# KiCad board fmc_memory_adapter.kicad_pcb (continued)
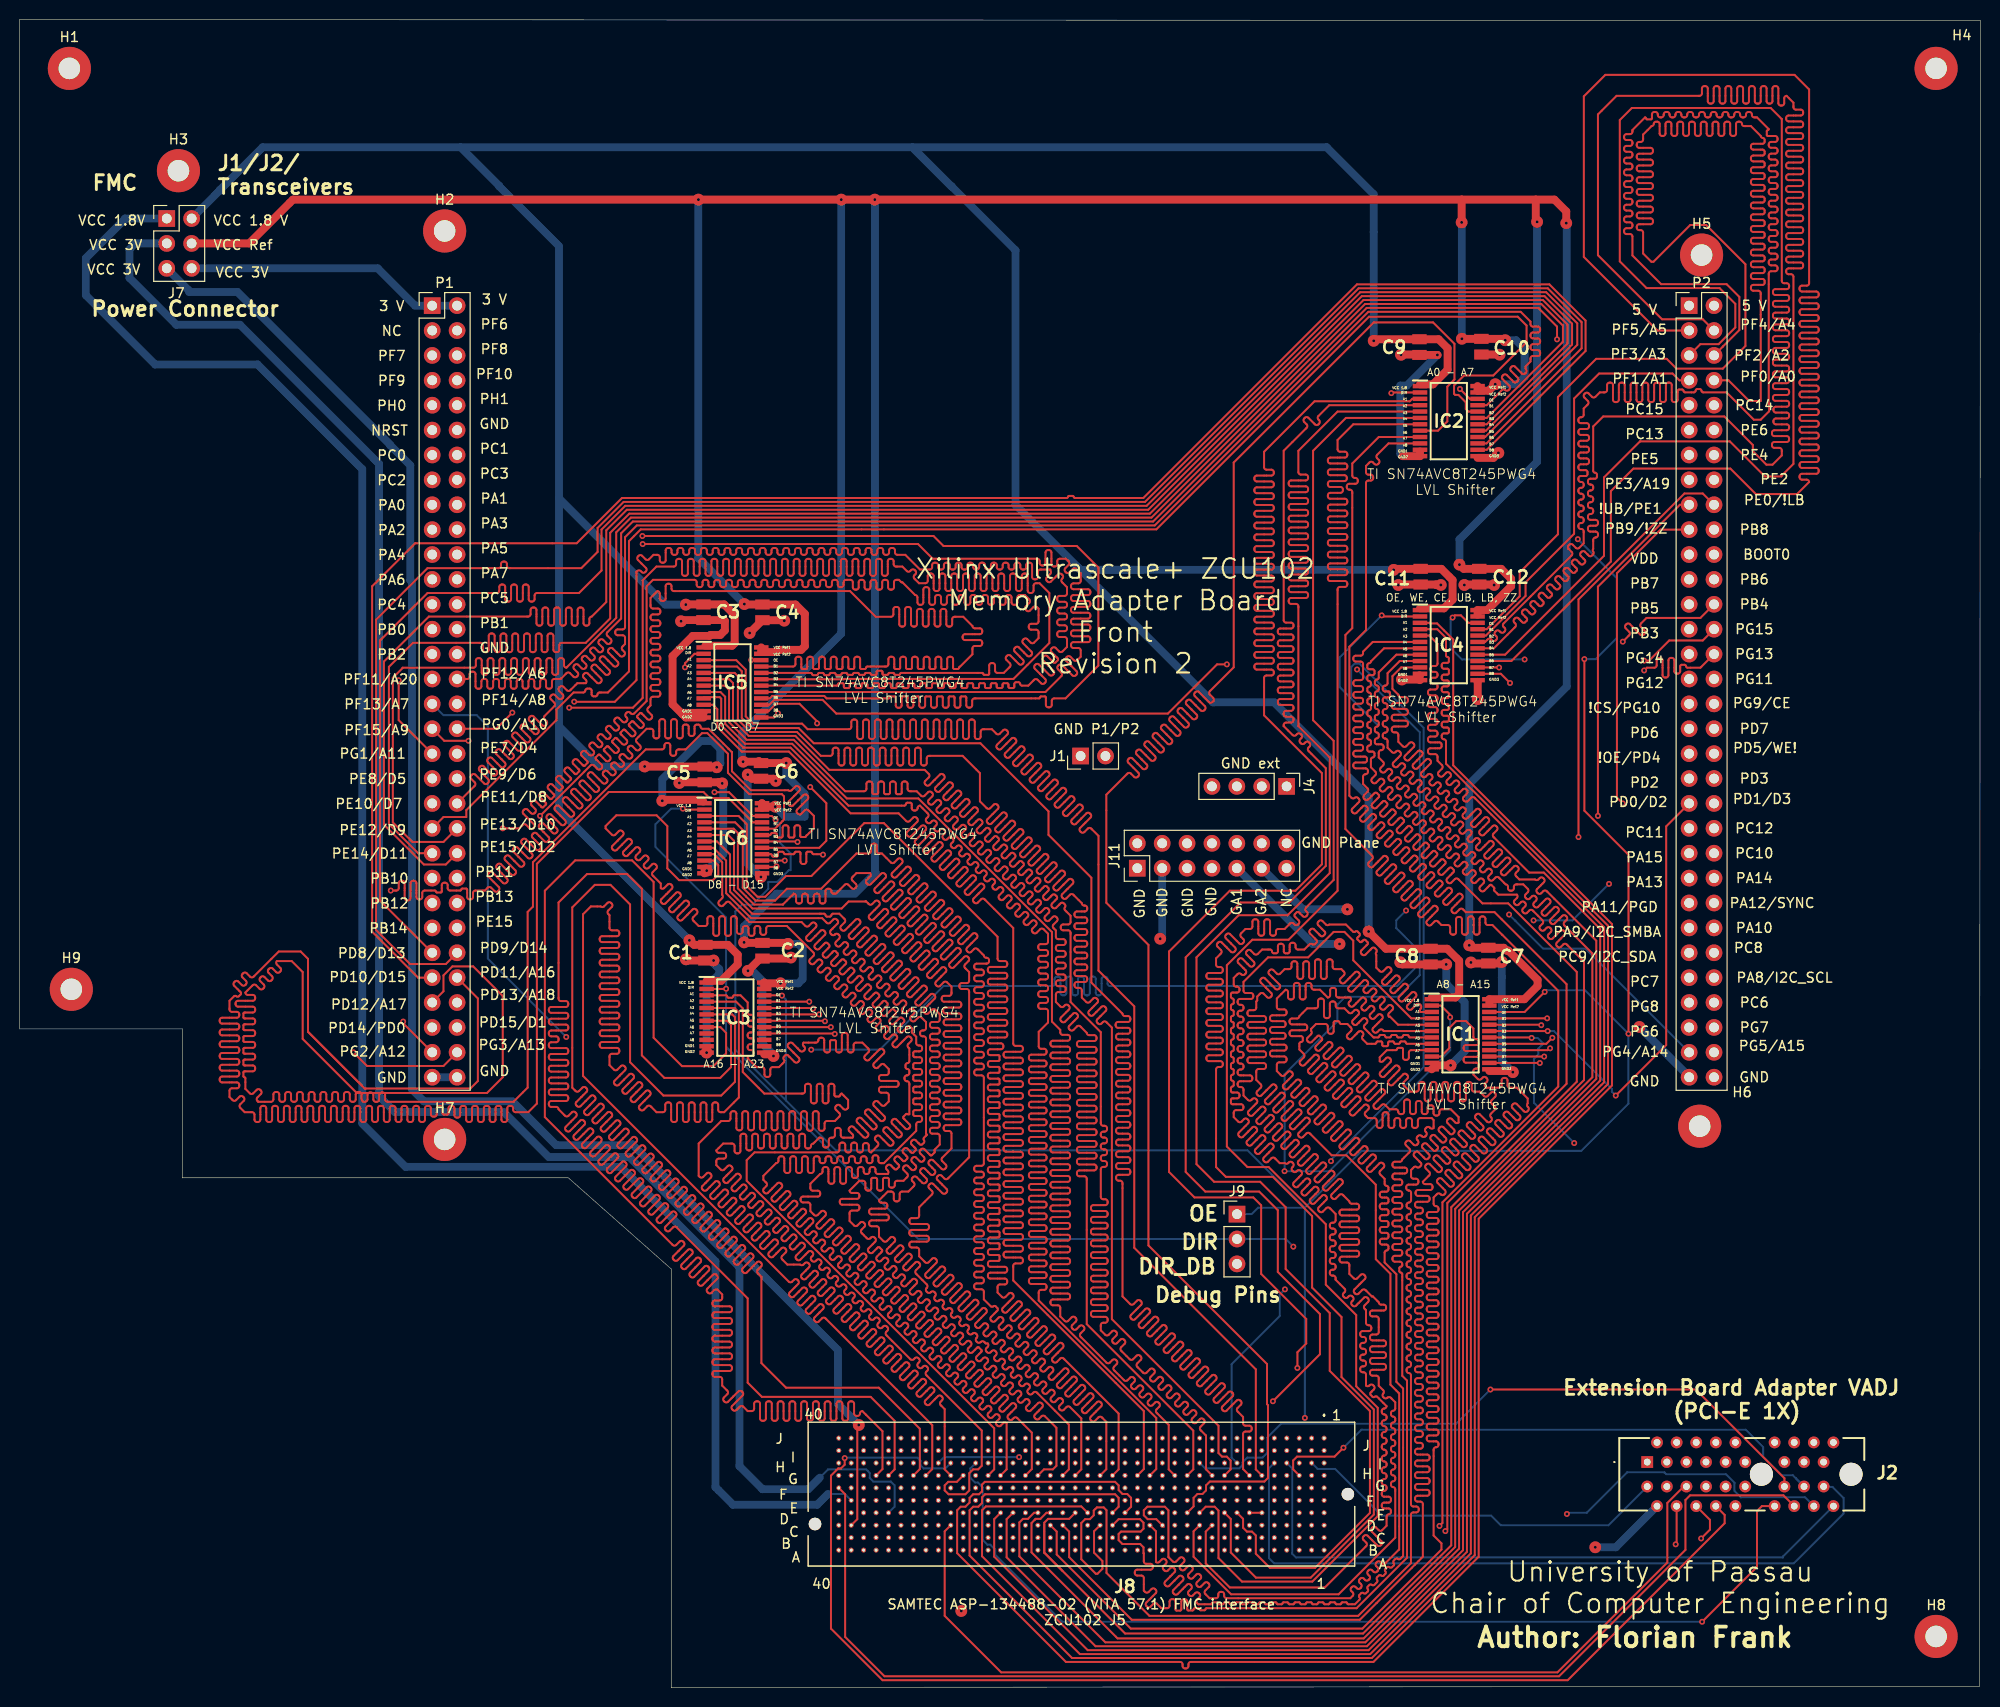
[diagram p0: board, top side]
## Routing (per net, layer and track width the routed paths; a pad name or vN(x,y) marks a point on that pad's centre or on a via; arc(x,y) is an arc through that point)
GND: length 264.2
  Top w0.2: IC4.11 IC4.12 ; IC5.13 76.98,98.98 v2(77.4,99.4)
  Top w0.8: v1(71.7,92.25) 71.43,92.25 71.32,92.37 ; 142.85,102.85 IC4.12 ; 142.85,102.85 142.85,103.26 142.91,103.26 ; 142.85,102.85 v3(141.06,102.85) ; v1(140.9,74) 141.12,73.78 C8.1 v1(145.59,73.78) ; v1(151.26,74.03) 151.11,73.88 C7.1 148.21,73.88 v1(148.11,73.98) ; 144.71,135.95 v2(144.69,135.98) C9.1 ; v1(140.7,112.5) 140.75,112.55 C11.1 144.54,112.55 ; C2.1 75.58,74.38 ; C2.1 75.58,74.38 ; C2.1 78.61,74.38 v3(78.71,74.48) ; 75.58,74.38 v1(74.33,73.13) ; v1(74.31,93.15) 74.73,92.73 C6.1 76.95,92.73 v3(77.17,92.51) ; 142.91,126.12 IC2.12 v2(141.12,125.65) ; v1(146.04,63.48) 144.51,63.48 IC1.12 ; v1(70.82,74.18) C1.1 68.12,74.18 v1(68,74.3) ; 71.32,92.37 71.32,92.37 ; 71.32,92.37 C5.1 67.39,92.37 v1(67.33,92.3) ; v1(67.5,108.8) 67.62,108.92 C3.2 71.88,108.92 71.97,108.83 71.97,107.87 71.5,107.4 70.5,107.4 70.4,107.3 68.7,107.3 66.64,105.24 66.64,100.33 67.64,99.33 ; 67.64,99.33 67.99,98.98 IC5.12 ; 67.64,99.33 67.76,99.45 69.81,99.45 ; 75.76,82.9 75.59,82.9 75.5,82.82 ; 77.04,64.45 76.89,64.6 75.99,64.6 ; 144.54,112.55 144.59,112.5 v3(145.04,112.5) ; 144.54,112.55 144.61,112.48 ; v1(152.39,62.79) 152.27,62.9 149.99,62.9 ; C9.1 142.78,136.05 ; C9.1 142.82,136.02 140.99,136.02 v1(140.98,136) ; 148.79,125.47 150.41,125.47 v3(150.91,125.98) ; 69.89,83.55 70.06,83.55 70.12,83.5 v1(70.12,83.35) 69.89,83.12 IC6.12 ; v1(147.44,112.5) 147.49,112.55 C12.1 150.43,112.55 v3(150.48,112.5) ; v1(74.5,107.6) 75.81,108.91 C4.2 77.98,108.91 v3(78.04,108.85) ; v3(148.8,100.85) 148.8,102.61 148.79,102.61 ; v1(70.11,64.78) 70.11,65.25 ; C10.1 151.02,136.02 v3(151.04,136)
  In1.Cu w0.8: 124.2,89.6 124.22,89.62 J4.3 ; 124.2,89.6 122,89.6 121.68,89.92 J4.4 ; 124.2,89.6 126.5,89.6 ; 129.38,89.47 129.3,89.55 J4.1 ; 129.38,89.47 130.75,88.1 130.75,82.85 130.05,82.15 123.13,82.15 J11.7 ; 129.38,89.47 129.25,89.6 126.5,89.6 ; 126.5,89.6 126.76,89.86 J4.2 ; 70.01,91.73 70.66,92.37 71.32,92.37 ; 76.45,72.35 78.58,74.48 v3(78.71,74.48) ; J11.2 J11.14
  In2.Cu w0.8: v3(150.48,112.5) 150.48,109.85 145,104.38 145,101.62 146.28,100.35 148.3,100.35 v3(148.8,100.85) ; v3(150.91,125.98) 151.79,126.86 151.79,135.25 v3(151.04,136) ; v3(145.04,112.5) 145.04,109.26 141.06,105.29 v3(141.06,102.85) ; v3(78.04,108.85) 78.15,108.85 79,108 79,100.17 78.31,99.48 77.48,99.48 v2(77.4,99.4) ; 74.28,73.08 v1(74.33,73.13)
  Bottom w0.8: v1(152.39,62.79) 151.26,63.91 v1(151.26,74.03) ; v1(145.59,73.78) 145.59,71.8 147.46,69.93 147.46,64.9 v1(146.04,63.48) ; v1(70.11,64.78) 70.11,71.51 71.4,72.8 71.4,73.3 70.82,73.88 v1(70.82,74.18) ; v1(74.33,73.13) 74.77,73.13 75.8,72.1 75.8,65.7 76.93,64.57 v1(76.93,64.43) ; v1(74.31,93.15) 74.31,84.05 v1(75.65,82.7) ; v1(71.7,92.25) 71.81,92.14 71.81,85.05 v1(70.12,83.35) ; v2(144.69,135.98) 141.56,132.85 140.9,132.85 140.9,125.87 v2(141.12,125.65) ; 147.99,73.98 v1(148.11,73.98)
Net-(IC1-A1): length 200
  Top w0.2: IC1.3 142.97,68.93 arc(142.9,69.1) 142.97,69.27 142.98,69.28 arc(143.05,69.45) 142.98,69.62 142.89,69.7 arc(142.72,69.77) 142.55,69.7 142.06,69.2 arc(141.89,69.13) 141.72,69.2 141.63,69.29 arc(141.56,69.46) 141.63,69.63 142.48,70.48 arc(142.55,70.65) 142.48,70.82 142.4,70.9 arc(142.23,70.97) 142.06,70.9 141.21,70.05 arc(141.04,69.98) 140.87,70.05 140.78,70.14 arc(140.71,70.31) 140.78,70.48 141.63,71.33 arc(141.7,71.5) 141.63,71.67 141.55,71.75 arc(141.38,71.82) 141.21,71.75 140.36,70.9 arc(140.19,70.83) 140.02,70.9 139.94,70.99 arc(139.87,71.16) 139.94,71.33 140.79,72.18 arc(140.86,72.35) 140.79,72.52 140.7,72.6 arc(140.53,72.67) 140.36,72.6 139.51,71.75 arc(139.34,71.68) 139.17,71.75 139.09,71.84 arc(139.02,72.01) 139.09,72.17 139.94,73.02 arc(140.01,73.19) 139.94,73.36 139.85,73.45 arc(139.68,73.52) 139.51,73.45 139.15,73.09 arc(138.98,73.02) 138.81,73.09 138.45,73.45 138.45,74.75 arc(138.39,74.89) 138.45,75.02 arc(138.51,75.16) 138.45,75.3 138.29,75.45 arc(138.16,75.51) 138.02,75.45 137.35,74.78 arc(137.18,74.71) 137.01,74.78 136.93,74.87 arc(136.86,75.04) 136.93,75.21 137.56,75.84 arc(137.6,75.94) 137.56,76.05 137.34,76.27 arc(137.24,76.31) 137.14,76.27 136.95,76.08 arc(136.87,76.05) 136.78,76.08 136.53,76.34 arc(136.49,76.42) 136.53,76.5 136.73,76.71 arc(136.78,76.83) 136.73,76.95 136.54,77.13 arc(136.43,77.18) 136.31,77.13 arc(136.19,77.08) 136.07,77.13 135.35,77.85 133.65,77.85 arc(133.48,77.78) 133.31,77.85 132.95,78.21 arc(132.78,78.28) 132.61,78.21 132.53,78.13 arc(132.45,77.96) 132.53,77.79 133.19,77.12 arc(133.25,76.98) 133.19,76.84 133.04,76.69 arc(132.91,76.64) 132.77,76.69 132.1,77.36 arc(131.93,77.43) 131.76,77.36 131.68,77.28 arc(131.61,77.11) 131.68,76.94 132.34,76.27 arc(132.4,76.13) 132.34,76 132.19,75.85 arc(132.06,75.79) 131.92,75.85 arc(131.78,75.9) 131.65,75.85 131.1,75.3 130.45,75.3 arc(130.28,75.37) 130.21,75.54 130.21,75.75 arc(130.14,75.92) 129.97,75.99 129.85,75.99 arc(129.68,75.92) 129.61,75.75 129.61,75.11 arc(129.55,74.97) 129.42,74.91 129.2,74.91 arc(129.07,74.97) 129.01,75.11 129.01,75.65 arc(128.94,75.82) 128.77,75.89 128.65,75.89 arc(128.48,75.82) 128.41,75.65 128.41,75.11 arc(128.35,74.97) 128.22,74.91 128,74.91 arc(127.87,74.97) 127.81,75.11 arc(127.75,75.24) 127.62,75.3 126.8,75.3 126.34,74.84 arc(126.17,74.77) 126,74.84 125.64,75.2 arc(125.47,75.27) 125.3,75.2 125.22,75.12 arc(125.15,74.95) 125.22,74.78 125.96,74.03 arc(126.03,73.86) 125.96,73.69 125.87,73.61 arc(125.7,73.54) 125.53,73.61 124.79,74.35 arc(124.62,74.42) 124.45,74.35 124.37,74.27 arc(124.3,74.1) 124.37,73.93 125.11,73.19 arc(125.18,73.02) 125.11,72.85 125.03,72.76 arc(124.86,72.69) 124.69,72.76 124.64,72.8 arc(124.47,72.87) 124.3,72.8 123.9,72.4 123.9,71.75 arc(123.97,71.58) 124.14,71.51 124.25,71.51 arc(124.42,71.44) 124.49,71.27 124.49,71.15 arc(124.42,70.98) 124.25,70.91 123.76,70.91 arc(123.66,70.87) 123.61,70.77 123.61,70.45 arc(123.66,70.35) 123.76,70.31 arc(123.86,70.27) 123.9,70.17 123.9,69.86 arc(123.86,69.76) 123.76,69.72 arc(123.66,69.68) 123.62,69.58 123.62,69.26 arc(123.66,69.16) 123.76,69.12 arc(123.86,69.08) 123.9,68.98 123.9,68.66 arc(123.86,68.56) 123.76,68.52 arc(123.66,68.48) 123.62,68.38 123.62,68.06 arc(123.66,67.96) 123.76,67.92 arc(123.86,67.88) 123.9,67.78 123.9,67.46 arc(123.86,67.36) 123.76,67.32 arc(123.66,67.28) 123.62,67.18 123.62,66.86 arc(123.66,66.76) 123.76,66.72 arc(123.86,66.68) 123.9,66.58 123.9,66.26 arc(123.86,66.16) 123.76,66.12 arc(123.66,66.08) 123.62,65.98 123.62,65.66 arc(123.66,65.56) 123.76,65.52 arc(123.86,65.48) 123.9,65.38 123.9,65.06 arc(123.86,64.96) 123.76,64.92 arc(123.66,64.88) 123.62,64.78 123.62,64.46 arc(123.66,64.36) 123.76,64.32 arc(123.86,64.28) 123.9,64.18 123.9,63.86 arc(123.86,63.76) 123.76,63.72 arc(123.66,63.68) 123.62,63.58 123.62,63.26 arc(123.66,63.16) 123.76,63.12 arc(123.86,63.08) 123.9,62.98 123.9,62.66 arc(123.86,62.56) 123.76,62.52 arc(123.66,62.48) 123.62,62.38 123.62,62.06 arc(123.66,61.96) 123.76,61.92 arc(123.86,61.88) 123.9,61.78 123.9,61.46 arc(123.86,61.36) 123.76,61.32 arc(123.66,61.27) 123.61,61.17 123.61,60.85 arc(123.66,60.75) 123.76,60.71 124.25,60.71 arc(124.42,60.64) 124.49,60.47 124.49,60.35 arc(124.42,60.18) 124.25,60.11 123.76,60.11 arc(123.65,60.07) 123.61,59.97 123.61,59.65 arc(123.65,59.55) 123.76,59.51 124.65,59.51 arc(124.82,59.44) 124.89,59.27 124.89,59.15 arc(124.82,58.98) 124.65,58.91 124.14,58.91 arc(123.97,58.84) 123.9,58.67 123.9,58.2 124.36,57.74 arc(124.53,57.67) 124.7,57.74 124.95,58 arc(125.12,58.07) 125.29,58 125.38,57.91 arc(125.45,57.74) 125.38,57.57 124.42,56.62 arc(124.35,56.45) 124.42,56.28 124.51,56.19 arc(124.68,56.12) 124.85,56.19 125.8,57.15 arc(125.97,57.22) 126.14,57.15 126.23,57.06 arc(126.3,56.89) 126.23,56.72 125.27,55.77 arc(125.2,55.6) 125.27,55.43 125.36,55.34 arc(125.53,55.27) 125.7,55.34 126.65,56.3 arc(126.82,56.37) 126.99,56.3 127.08,56.21 arc(127.15,56.04) 127.08,55.87 126.12,54.92 arc(126.05,54.75) 126.12,54.58 126.2,54.49 arc(126.37,54.42) 126.54,54.49 127.5,55.45 arc(127.67,55.52) 127.84,55.45 127.92,55.36 arc(127.99,55.2) 127.92,55.03 126.97,54.07 arc(126.9,53.9) 126.97,53.73 127.05,53.65 arc(127.22,53.58) 127.39,53.65 127.75,54.01 arc(127.92,54.08) 128.09,54.01 128.6,53.5 129.11,53.5 arc(129.28,53.43) 129.45,53.5 129.53,53.58 arc(129.7,53.65) 129.87,53.58 129.96,53.49 arc(130.03,53.32) 129.96,53.15 129.88,53.08 arc(129.81,52.91) 129.88,52.74 129.96,52.65 arc(130.13,52.58) 130.3,52.65 130.38,52.73 arc(130.55,52.8) 130.72,52.73 130.8,52.64 arc(130.87,52.48) 130.8,52.31 130.03,51.53 arc(129.96,51.36) 130.03,51.19 130.11,51.1 arc(130.28,51.03) 130.45,51.1 131.23,51.88 arc(131.4,51.95) 131.57,51.88 131.65,51.8 arc(131.72,51.63) 131.65,51.46 130.87,50.68 arc(130.8,50.51) 130.87,50.34 130.96,50.25 arc(131.13,50.18) 131.3,50.25 132.08,51.03 arc(132.25,51.1) 132.42,51.03 132.5,50.95 arc(132.57,50.78) 132.5,50.61 131.72,49.83 arc(131.65,49.66) 131.72,49.49 131.81,49.41 arc(131.98,49.34) 132.15,49.41 132.93,50.18 arc(133.1,50.25) 133.27,50.18 133.35,50.1 arc(133.42,49.93) 133.35,49.76 132.57,48.98 arc(132.5,48.81) 132.57,48.64 132.66,48.56 arc(132.83,48.49) 133,48.56 133.36,48.92 arc(133.53,48.99) 133.7,48.92 134.3,48.31 134.3,47.66 arc(134.23,47.49) 134.06,47.42 133.95,47.42 arc(133.78,47.35) 133.71,47.18 133.71,47.06 arc(133.78,46.89) 133.95,46.82 134.06,46.82 arc(134.23,46.75) 134.3,46.58 134.3,46.46 arc(134.23,46.29) 134.06,46.22 133.95,46.22 arc(133.78,46.15) 133.71,45.98 133.71,45.86 arc(133.78,45.69) 133.95,45.62 134.06,45.62 arc(134.23,45.55) 134.3,45.38 134.3,45.26 arc(134.23,45.09) 134.06,45.02 133.95,45.02 arc(133.78,44.95) 133.71,44.78 133.71,44.66 arc(133.78,44.49) 133.95,44.42 134.06,44.42 arc(134.23,44.35) 134.3,44.18 134.3,44.06 arc(134.23,43.89) 134.06,43.82 133.95,43.82 arc(133.78,43.75) 133.71,43.58 133.71,43.46 arc(133.78,43.29) 133.95,43.22 134.06,43.22 arc(134.23,43.15) 134.3,42.98 134.3,42.86 arc(134.23,42.69) 134.06,42.62 133.95,42.62 arc(133.78,42.55) 133.71,42.38 133.71,42.26 arc(133.78,42.09) 133.95,42.02 134.06,42.02 arc(134.23,41.95) 134.3,41.78 134.3,41.6 135.22,40.68 arc(135.29,40.51) 135.22,40.34 135.11,40.23 arc(135.04,40.06) 135.11,39.89 135.19,39.8 arc(135.36,39.73) 135.53,39.8 135.64,39.92 arc(135.81,39.99) 135.98,39.92 136.07,39.83 arc(136.14,39.66) 136.07,39.49 135.95,39.38 arc(135.88,39.21) 135.95,39.04 136.04,38.95 arc(136.21,38.88) 136.38,38.95 137.19,39.77 arc(137.36,39.84) 137.53,39.77 137.62,39.68 arc(137.69,39.51) 137.62,39.34 137.26,38.98 arc(137.19,38.81) 137.26,38.64 137.4,38.5 137.4,37.2 arc(137.47,37.03) 137.64,36.96 137.7,36.96 arc(137.87,36.89) 137.94,36.72 137.94,36.6 arc(137.87,36.43) 137.7,36.36 137.05,36.36 arc(136.88,36.29) 136.81,36.12 136.81,36 arc(136.88,35.83) 137.05,35.76 137.16,35.76 arc(137.33,35.69) 137.4,35.52 137.4,35.4 arc(137.33,35.23) 137.16,35.16 137.05,35.16 arc(136.88,35.09) 136.81,34.92 136.81,34.8 arc(136.88,34.63) 137.05,34.56 137.16,34.56 arc(137.33,34.49) 137.4,34.32 137.4,34.2 arc(137.33,34.03) 137.16,33.96 137.05,33.96 arc(136.88,33.89) 136.81,33.72 136.81,33.6 arc(136.88,33.43) 137.05,33.36 137.16,33.36 arc(137.33,33.29) 137.4,33.12 137.4,33 arc(137.33,32.83) 137.16,32.76 137.05,32.76 arc(136.88,32.69) 136.81,32.52 136.81,32.4 arc(136.88,32.23) 137.05,32.16 137.16,32.16 arc(137.33,32.09) 137.4,31.92 137.4,30.8 arc(137.57,30.73) 137.74,30.8 137.78,30.84 arc(137.95,30.91) 138.12,30.84 138.21,30.76 arc(138.28,30.59) 138.21,30.42 137.88,30.09 arc(137.83,29.97) 137.88,29.85 138.06,29.66 arc(138.18,29.61) 138.3,29.66 arc(138.42,29.71) 138.54,29.66 139.5,28.7 arc(139.43,28.53) 139.26,28.46 139.25,28.46 arc(139.08,28.39) 139.01,28.22 139.01,28.1 arc(139.08,27.93) 139.25,27.86 139.26,27.86 arc(139.43,27.79) 139.5,27.62 139.5,27.5 arc(139.43,27.33) 139.26,27.26 139.25,27.26 arc(139.08,27.19) 139.01,27.02 139.01,26.9 arc(139.08,26.73) 139.25,26.66 139.26,26.66 arc(139.43,26.59) 139.5,26.42 139.5,26.3 arc(139.43,26.13) 139.26,26.06 139.25,26.06 arc(139.08,25.99) 139.01,25.82 139.01,25.7 arc(139.08,25.53) 139.25,25.46 139.26,25.46 arc(139.43,25.39) 139.5,25.22 139.5,25.1 arc(139.43,24.93) 139.26,24.86 139.25,24.86 arc(139.08,24.79) 139.01,24.62 139.01,24.5 arc(139.08,24.33) 139.25,24.26 139.26,24.26 arc(139.43,24.19) 139.5,24.02 139.5,23.9 arc(139.43,23.73) 139.26,23.66 139.25,23.66 arc(139.08,23.59) 139.01,23.42 139.01,23.3 arc(139.08,23.13) 139.25,23.06 139.26,23.06 arc(139.43,22.99) 139.5,22.82 139.5,22.7 arc(139.43,22.53) 139.26,22.46 139.25,22.46 arc(139.08,22.39) 139.01,22.22 139.01,22.1 arc(139.08,21.93) 139.25,21.86 139.26,21.86 arc(139.43,21.79) 139.5,21.62 139.5,21.5 arc(139.43,21.33) 139.26,21.26 139.25,21.26 arc(139.08,21.19) 139.01,21.02 139.01,20.9 arc(139.08,20.73) 139.25,20.66 139.26,20.66 arc(139.43,20.59) 139.5,20.42 139.5,20.3 arc(139.43,20.13) 139.26,20.06 139.25,20.06 arc(139.08,19.99) 139.01,19.82 139.01,19.7 arc(139.08,19.53) 139.25,19.46 139.72,19.46 arc(139.87,19.4) 139.94,19.24 139.94,19.08 arc(139.87,18.92) 139.72,18.86 139.25,18.86 arc(139.08,18.79) 139.01,18.62 139.01,18.5 arc(139.08,18.33) 139.25,18.26 139.72,18.26 arc(139.87,18.2) 139.94,18.04 139.94,17.88 arc(139.87,17.72) 139.72,17.66 arc(139.56,17.6) 139.5,17.44 139.5,16.5 139.04,16.04 arc(138.87,15.97) 138.7,16.04 138.41,16.33 arc(138.24,16.4) 138.07,16.33 137.99,16.25 arc(137.92,16.08) 137.99,15.91 138.98,14.92 arc(139.05,14.75) 138.98,14.58 138.89,14.49 arc(138.72,14.42) 138.55,14.49 137.56,15.48 arc(137.39,15.55) 137.22,15.48 137.14,15.4 arc(137.07,15.23) 137.14,15.06 137.43,14.77 arc(137.5,14.6) 137.43,14.43 133.2,10.2 123.5,10.2 121.05,12.65 121.05,15.9 J8.C10
Net-(IC1-A2): length 200
  Top w0.2: IC1.4 142.02,68.28 136.1,74.2 136.1,76.2 135.2,77.1 134.1,77.1 131.5,74.5 127.4,74.5 124.9,72 124.9,71.1 arc(124.97,70.93) 125.14,70.86 125.66,70.86 arc(125.83,70.79) 125.9,70.62 125.9,70.5 arc(125.83,70.33) 125.66,70.26 124.54,70.26 arc(124.37,70.19) 124.3,70.02 124.3,69.9 arc(124.37,69.73) 124.54,69.66 124.66,69.66 arc(124.83,69.59) 124.9,69.42 124.9,69.3 arc(124.83,69.13) 124.66,69.06 124.54,69.06 arc(124.37,68.99) 124.3,68.82 124.3,68.7 arc(124.37,68.53) 124.54,68.46 124.66,68.46 arc(124.83,68.39) 124.9,68.22 124.9,68.1 arc(124.83,67.93) 124.66,67.86 124.54,67.86 arc(124.37,67.79) 124.3,67.62 124.3,67.5 arc(124.37,67.33) 124.54,67.26 124.66,67.26 arc(124.83,67.19) 124.9,67.02 124.9,66.9 arc(124.83,66.73) 124.66,66.66 124.54,66.66 arc(124.37,66.59) 124.3,66.42 124.3,66.3 arc(124.37,66.13) 124.54,66.06 124.66,66.06 arc(124.83,65.99) 124.9,65.82 124.9,65.7 arc(124.83,65.53) 124.66,65.46 124.54,65.46 arc(124.37,65.39) 124.3,65.22 124.3,65.1 arc(124.37,64.93) 124.54,64.86 124.66,64.86 arc(124.83,64.79) 124.9,64.62 124.9,64.5 arc(124.83,64.33) 124.66,64.26 124.54,64.26 arc(124.37,64.19) 124.3,64.02 124.3,63.9 arc(124.37,63.73) 124.54,63.66 124.66,63.66 arc(124.83,63.59) 124.9,63.42 124.9,63.3 arc(124.83,63.13) 124.66,63.06 124.54,63.06 arc(124.37,62.99) 124.3,62.82 124.3,62.7 arc(124.37,62.53) 124.54,62.46 125.56,62.46 arc(125.73,62.39) 125.8,62.22 125.8,62.1 arc(125.73,61.93) 125.56,61.86 124.54,61.86 arc(124.37,61.79) 124.3,61.62 124.3,61.5 arc(124.37,61.33) 124.54,61.26 124.66,61.26 arc(124.83,61.19) 124.9,61.02 124.9,60.4 125.36,59.94 arc(125.53,59.87) 125.7,59.94 125.82,60.06 arc(125.99,60.13) 126.16,60.06 126.24,59.98 arc(126.31,59.81) 126.24,59.64 125.42,58.81 arc(125.35,58.64) 125.42,58.47 125.5,58.38 arc(125.67,58.31) 125.84,58.38 126.67,59.21 arc(126.84,59.28) 127.01,59.21 127.09,59.13 arc(127.16,58.96) 127.09,58.79 126.26,57.96 arc(126.19,57.79) 126.26,57.62 126.35,57.54 arc(126.52,57.47) 126.69,57.54 127.52,58.36 arc(127.69,58.43) 127.86,58.36 127.94,58.28 arc(128.01,58.11) 127.94,57.94 127.11,57.11 arc(127.04,56.94) 127.11,56.77 127.2,56.69 arc(127.37,56.62) 127.54,56.69 128.36,57.52 arc(128.53,57.59) 128.7,57.52 128.79,57.43 arc(128.86,57.26) 128.79,57.09 127.96,56.26 arc(127.89,56.09) 127.96,55.92 128.05,55.84 arc(128.22,55.77) 128.39,55.84 129.21,56.67 arc(129.38,56.74) 129.55,56.67 129.64,56.58 arc(129.71,56.41) 129.64,56.24 128.81,55.41 arc(128.74,55.25) 128.81,55.08 128.9,54.99 arc(129.06,54.92) 129.23,54.99 130.06,55.82 arc(130.23,55.89) 130.4,55.82 130.49,55.73 arc(130.56,55.56) 130.49,55.39 129.66,54.57 arc(129.59,54.4) 129.66,54.23 129.74,54.14 arc(129.91,54.07) 130.08,54.14 131.16,55.22 arc(131.33,55.29) 131.5,55.22 131.58,55.13 arc(131.65,54.96) 131.58,54.79 130.51,53.72 arc(130.44,53.55) 130.51,53.38 130.59,53.29 arc(130.76,53.22) 130.93,53.29 132.01,54.37 arc(132.18,54.44) 132.35,54.37 132.43,54.28 arc(132.5,54.11) 132.43,53.94 131.36,52.87 arc(131.29,52.7) 131.36,52.53 131.44,52.45 arc(131.61,52.37) 131.78,52.45 132.85,53.52 arc(133.02,53.59) 133.19,53.52 133.28,53.44 arc(133.35,53.27) 133.28,53.1 132.2,52.02 arc(132.13,51.85) 132.2,51.68 132.29,51.6 arc(132.46,51.53) 132.63,51.6 133.7,52.67 arc(133.87,52.74) 134.04,52.67 134.13,52.59 arc(134.2,52.42) 134.13,52.25 133.05,51.17 arc(132.98,51) 133.05,50.83 133.14,50.75 arc(133.31,50.68) 133.48,50.75 134.55,51.82 arc(134.72,51.89) 134.89,51.82 134.98,51.74 arc(135.05,51.57) 134.98,51.4 133.9,50.32 arc(133.83,50.15) 133.9,49.98 133.99,49.9 arc(134.16,49.83) 134.33,49.9 134.69,50.27 arc(134.86,50.34) 135.03,50.27 135.7,49.6 arc(135.77,49.43) 135.94,49.36 136.46,49.36 arc(136.63,49.29) 136.7,49.12 136.7,49 arc(136.63,48.83) 136.46,48.76 134.94,48.76 arc(134.77,48.69) 134.7,48.52 134.7,48.4 arc(134.77,48.23) 134.94,48.16 136.46,48.16 arc(136.63,48.09) 136.7,47.92 136.7,47.8 arc(136.63,47.63) 136.46,47.56 134.94,47.56 arc(134.77,47.49) 134.7,47.32 134.7,47.2 arc(134.77,47.03) 134.94,46.96 136.46,46.96 arc(136.63,46.89) 136.7,46.72 136.7,46.6 arc(136.63,46.43) 136.46,46.36 134.94,46.36 arc(134.77,46.29) 134.7,46.12 134.7,46 arc(134.77,45.83) 134.94,45.76 136.46,45.76 arc(136.63,45.69) 136.7,45.52 136.7,45.4 arc(136.63,45.23) 136.46,45.16 134.94,45.16 arc(134.77,45.09) 134.7,44.92 134.7,44.8 arc(134.77,44.63) 134.94,44.56 136.46,44.56 arc(136.63,44.49) 136.7,44.32 136.7,44.2 arc(136.63,44.03) 136.46,43.96 134.94,43.96 arc(134.77,43.89) 134.7,43.72 134.7,43.6 arc(134.77,43.43) 134.94,43.36 135.46,43.36 arc(135.63,43.29) 135.7,43.12 135.7,42.2 136.16,41.74 arc(136.33,41.67) 136.5,41.74 136.87,42.11 arc(137.04,42.18) 137.21,42.11 137.29,42.02 arc(137.36,41.85) 137.29,41.68 136.22,40.61 arc(136.15,40.44) 136.22,40.27 136.3,40.18 arc(136.47,40.11) 136.64,40.18 137.01,40.55 arc(137.18,40.62) 137.35,40.55 138,39.9 138.1,39.9 138.7,39.3 arc(138.77,39.13) 138.94,39.06 139.21,39.06 arc(139.38,38.99) 139.45,38.82 139.45,38.7 arc(139.38,38.53) 139.21,38.46 138.04,38.46 arc(137.87,38.39) 137.8,38.22 137.8,38.1 arc(137.87,37.93) 138.04,37.86 138.46,37.86 arc(138.63,37.79) 138.7,37.62 138.7,36.25 arc(138.63,36.08) 138.46,36.01 138.05,36.01 arc(137.88,35.94) 137.81,35.77 137.81,35.65 arc(137.88,35.48) 138.05,35.41 139.2,35.41 arc(139.37,35.34) 139.44,35.17 139.44,35.05 arc(139.37,34.88) 139.2,34.81 138.05,34.81 arc(137.88,34.74) 137.81,34.57 137.81,34.45 arc(137.88,34.28) 138.05,34.21 139.2,34.21 arc(139.37,34.14) 139.44,33.97 139.44,33.85 arc(139.37,33.68) 139.2,33.61 138.05,33.61 arc(137.88,33.54) 137.81,33.37 137.81,33.25 arc(137.88,33.08) 138.05,33.01 139.2,33.01 arc(139.37,32.94) 139.44,32.77 139.44,32.65 arc(139.37,32.48) 139.2,32.41 138.05,32.41 arc(137.88,32.34) 137.81,32.17 137.81,32.05 arc(137.88,31.88) 138.05,31.81 138.46,31.81 arc(138.63,31.74) 138.7,31.57 138.7,30.79 139.16,30.33 arc(139.23,30.16) 139.16,29.99 139.15,29.98 arc(139.08,29.81) 139.15,29.64 139.24,29.56 arc(139.41,29.49) 139.58,29.56 139.58,29.56 arc(139.75,29.63) 139.92,29.56 140.39,29.1 140.39,28.45 arc(140.32,28.3) 140.17,28.24 arc(140.02,28.17) 139.96,28.02 139.96,27.85 arc(140.02,27.7) 140.17,27.64 arc(140.32,27.57) 140.39,27.42 140.39,27.25 arc(140.32,27.1) 140.17,27.04 arc(140.02,26.97) 139.96,26.82 139.96,26.65 arc(140.02,26.5) 140.17,26.44 arc(140.32,26.37) 140.39,26.22 140.39,26.05 arc(140.32,25.9) 140.17,25.84 arc(140.02,25.77) 139.96,25.62 139.96,25.45 arc(140.02,25.3) 140.17,25.24 arc(140.32,25.17) 140.39,25.02 140.39,24.85 arc(140.32,24.7) 140.17,24.64 arc(140.02,24.57) 139.96,24.42 139.96,24.25 arc(140.02,24.1) 140.17,24.04 arc(140.32,23.97) 140.39,23.82 140.39,23.65 arc(140.32,23.5) 140.17,23.44 arc(140.02,23.37) 139.96,23.22 139.96,23.05 arc(140.02,22.9) 140.17,22.84 arc(140.32,22.77) 140.39,22.62 140.39,22.45 arc(140.32,22.3) 140.17,22.24 arc(140.02,22.17) 139.96,22.02 139.96,21.85 arc(140.02,21.7) 140.17,21.64 arc(140.32,21.57) 140.39,21.42 140.39,21.25 arc(140.32,21.1) 140.17,21.04 arc(140.02,20.97) 139.96,20.82 139.96,20.65 arc(140.02,20.5) 140.17,20.44 arc(140.32,20.37) 140.39,20.22 140.39,15.29 134.6,9.5 123.63,9.5 119.81,13.33 119.81,15.93 J8.C11
Net-(IC1-A3): length 200.2
  Top w0.2: IC1.5 140.67,67.63 139.85,68.45 139.73,68.45 arc(139.66,68.62) 139.73,68.79 140.1,69.16 arc(140.17,69.33) 140.1,69.5 140.02,69.58 arc(139.85,69.65) 139.68,69.58 139.31,69.21 arc(139.14,69.14) 138.97,69.21 138.89,69.3 arc(138.82,69.47) 138.89,69.64 139.25,70 arc(139.32,70.17) 139.25,70.34 139.17,70.43 arc(139,70.5) 138.83,70.43 138.46,70.06 arc(138.29,69.99) 138.12,70.06 138.04,70.15 arc(137.97,70.32) 138.04,70.49 138.4,70.85 arc(138.47,71.02) 138.4,71.19 138.32,71.28 arc(138.15,71.35) 137.98,71.28 137.61,70.91 arc(137.44,70.84) 137.27,70.91 137.19,71 arc(137.12,71.17) 137.19,71.33 137.56,71.7 arc(137.63,71.87) 137.56,72.04 137.47,72.13 arc(137.3,72.2) 137.13,72.13 136.59,71.59 136.6,71.59 136.06,71.05 arc(135.89,70.98) 135.72,71.05 135.63,71.14 arc(135.56,71.31) 135.63,71.48 136.71,72.55 arc(136.78,72.72) 136.71,72.89 136.62,72.97 arc(136.45,73.04) 136.28,72.97 135.21,71.9 arc(135.04,71.83) 134.87,71.9 134.79,71.99 arc(134.72,72.16) 134.79,72.33 135.15,72.69 arc(135.22,72.86) 135.15,73.03 134.88,73.3 134.23,73.3 arc(134.06,73.37) 133.99,73.54 133.99,74.06 arc(133.92,74.23) 133.75,74.3 133.63,74.3 arc(133.46,74.23) 133.39,74.06 133.39,72.54 arc(133.32,72.37) 133.15,72.3 133.03,72.3 arc(132.86,72.37) 132.79,72.54 132.79,74.06 arc(132.72,74.23) 132.55,74.3 132.43,74.3 arc(132.26,74.23) 132.19,74.06 132.19,72.54 arc(132.12,72.37) 131.95,72.3 131.83,72.3 arc(131.66,72.37) 131.59,72.54 131.59,73.86 arc(131.52,74.03) 131.35,74.1 131.23,74.1 arc(131.06,74.03) 130.99,73.86 130.99,72.54 arc(130.92,72.37) 130.75,72.3 130.63,72.3 arc(130.46,72.37) 130.39,72.54 130.39,73.86 arc(130.32,74.03) 130.15,74.1 130.03,74.1 arc(129.86,74.03) 129.79,73.86 129.79,73.54 arc(129.72,73.37) 129.55,73.3 129.1,73.3 128.64,72.84 arc(128.47,72.77) 128.3,72.84 127.93,73.21 arc(127.76,73.28) 127.59,73.21 127.51,73.12 arc(127.44,72.95) 127.51,72.78 128.58,71.71 arc(128.65,71.54) 128.58,71.37 128.5,71.29 arc(128.33,71.22) 128.16,71.29 127.09,72.36 arc(126.92,72.43) 126.75,72.36 126.66,72.27 arc(126.59,72.1) 126.66,71.93 127.73,70.86 arc(127.8,70.69) 127.73,70.52 127.65,70.44 arc(127.48,70.37) 127.31,70.44 126.94,70.8 arc(126.77,70.87) 126.6,70.8 126.3,70.5 126.3,70.1 126.2,70 126.2,69.35 arc(126.13,69.18) 125.96,69.11 125.54,69.11 arc(125.37,69.04) 125.3,68.87 125.3,68.75 arc(125.37,68.58) 125.54,68.51 126.96,68.51 arc(127.13,68.44) 127.2,68.27 127.2,68.15 arc(127.13,67.98) 126.96,67.91 125.54,67.91 arc(125.37,67.84) 125.3,67.67 125.3,67.55 arc(125.37,67.38) 125.54,67.31 126.96,67.31 arc(127.13,67.24) 127.2,67.07 127.2,66.95 arc(127.13,66.78) 126.96,66.71 125.54,66.71 arc(125.37,66.64) 125.3,66.47 125.3,66.35 arc(125.37,66.18) 125.54,66.11 126.96,66.11 arc(127.13,66.04) 127.2,65.87 127.2,65.75 arc(127.13,65.58) 126.96,65.51 125.54,65.51 arc(125.37,65.44) 125.3,65.27 125.3,65.15 arc(125.37,64.98) 125.54,64.91 126.96,64.91 arc(127.13,64.84) 127.2,64.67 127.2,64.55 arc(127.13,64.38) 126.96,64.31 125.54,64.31 arc(125.37,64.24) 125.3,64.07 125.3,63.95 arc(125.37,63.78) 125.54,63.71 126.96,63.71 arc(127.13,63.64) 127.2,63.47 127.2,63.35 arc(127.13,63.18) 126.96,63.11 126.44,63.11 arc(126.27,63.04) 126.2,62.87 126.2,62 126.66,61.54 arc(126.73,61.37) 126.66,61.2 126.29,60.83 arc(126.22,60.66) 126.29,60.49 126.38,60.41 arc(126.55,60.34) 126.72,60.41 127.79,61.48 arc(127.96,61.55) 128.13,61.48 128.21,61.4 arc(128.28,61.23) 128.21,61.06 127.14,59.99 arc(127.07,59.82) 127.14,59.65 127.23,59.56 arc(127.4,59.49) 127.57,59.56 128.64,60.63 arc(128.81,60.7) 128.98,60.63 129.06,60.55 arc(129.13,60.38) 129.06,60.21 127.99,59.14 arc(127.92,58.97) 127.99,58.8 128.07,58.71 arc(128.24,58.64) 128.41,58.71 129.49,59.79 arc(129.66,59.86) 129.83,59.79 129.91,59.7 arc(129.98,59.53) 129.91,59.36 128.84,58.29 arc(128.77,58.12) 128.84,57.95 128.92,57.86 arc(129.09,57.79) 129.26,57.86 130.34,58.94 arc(130.51,59.01) 130.67,58.94 130.76,58.85 arc(130.83,58.68) 130.76,58.51 129.69,57.44 arc(129.62,57.27) 129.69,57.1 129.77,57.02 arc(129.94,56.95) 130.11,57.02 131.18,58.09 arc(131.35,58.16) 131.52,58.09 131.61,58 arc(131.68,57.83) 131.61,57.66 130.54,56.59 arc(130.47,56.42) 130.54,56.25 130.62,56.17 arc(130.79,56.1) 130.96,56.17 131.33,56.53 arc(131.5,56.6) 131.67,56.53 133.9,54.3 135.4,54.3 138.4,51.3 138.4,43.7 139.89,42.21 139.89,30.89 140.79,30 140.79,14.09 139.36,12.66 arc(139.19,12.59) 139.02,12.66 138.87,12.81 arc(138.7,12.88) 138.53,12.81 138.44,12.72 arc(138.37,12.55) 138.44,12.38 138.59,12.23 arc(138.66,12.06) 138.59,11.89 138.51,11.81 arc(138.34,11.74) 138.17,11.81 138.02,11.96 arc(137.85,12.03) 137.68,11.96 137.59,11.87 arc(137.52,11.7) 137.59,11.53 137.74,11.38 arc(137.81,11.21) 137.74,11.04 137.66,10.96 arc(137.49,10.89) 137.32,10.96 137.17,11.11 arc(137,11.18) 136.83,11.11 136.74,11.02 arc(136.67,10.85) 136.74,10.68 136.89,10.53 arc(136.96,10.36) 136.89,10.19 136.81,10.11 arc(136.64,10.04) 136.47,10.11 136.32,10.26 arc(136.15,10.33) 135.98,10.26 135.9,10.18 arc(135.83,10.01) 135.9,9.84 136.05,9.69 arc(136.12,9.52) 136.05,9.35 135.8,9.1 123.17,9.1 arc(123,9.17) 122.93,9.34 122.93,9.51 arc(122.86,9.68) 122.69,9.75 122.57,9.75 arc(122.4,9.68) 122.33,9.51 122.33,9.34 arc(122.26,9.17) 122.09,9.1 121.44,9.1 120.99,9.54 arc(120.92,9.71) 120.99,9.88 121.36,10.25 arc(121.43,10.42) 121.36,10.59 121.28,10.67 arc(121.11,10.74) 120.94,10.67 120.57,10.31 arc(120.4,10.24) 120.23,10.31 120.15,10.39 arc(120.08,10.56) 120.15,10.73 120.51,11.1 arc(120.58,11.27) 120.51,11.44 120.43,11.52 arc(120.26,11.59) 120.09,11.52 119.72,11.15 arc(119.55,11.08) 119.38,11.15 119.3,11.24 arc(119.23,11.41) 119.3,11.58 119.66,11.95 arc(119.74,12.12) 119.66,12.29 119.58,12.37 arc(119.41,12.44) 119.24,12.37 118.87,12 arc(118.7,11.93) 118.53,12 118.45,12.09 arc(118.38,12.26) 118.45,12.43 118.82,12.79 arc(118.89,12.96) 118.82,13.13 118.73,13.22 arc(118.56,13.29) 118.39,13.22 118.02,12.85 arc(117.85,12.78) 117.68,12.85 117.24,13.3 117.24,18.08 116.87,18.44 115.09,18.44 114.73,18.08 114.73,17.56 115.12,17.17 116,17.17 J8.C14 116.77,16.39
Net-(IC1-A4): length 200
  Top w0.2: IC1.6 139.22,66.98 139.11,67.09 arc(138.94,67.16) 138.77,67.09 138.55,66.87 arc(138.38,66.8) 138.21,66.87 138.12,66.95 arc(138.05,67.12) 138.12,67.29 139.05,68.22 arc(139.12,68.39) 139.05,68.56 138.96,68.64 arc(138.79,68.71) 138.62,68.64 138.26,68.28 arc(138.09,68.21) 137.92,68.28 137.84,68.36 arc(137.77,68.53) 137.84,68.7 138.2,69.07 arc(138.27,69.24) 138.2,69.41 138.11,69.49 arc(137.95,69.56) 137.78,69.49 137.41,69.13 arc(137.24,69.06) 137.07,69.13 136.99,69.21 arc(136.92,69.38) 136.99,69.55 137.35,69.91 arc(137.42,70.08) 137.35,70.25 137.27,70.34 arc(137.1,70.41) 136.93,70.34 136.11,69.52 arc(135.94,69.45) 135.77,69.52 135.68,69.61 arc(135.61,69.78) 135.68,69.94 135.8,70.06 arc(135.87,70.23) 135.8,70.4 134.58,70.4 arc(134.41,70.47) 134.34,70.64 134.34,71.15 arc(134.27,71.32) 134.1,71.39 133.98,71.39 arc(133.81,71.32) 133.74,71.15 133.74,70.64 arc(133.67,70.47) 133.5,70.4 132.7,71.2 132.08,71.2 arc(131.91,71.27) 131.84,71.44 131.84,71.65 arc(131.77,71.82) 131.6,71.89 131.48,71.89 arc(131.31,71.82) 131.24,71.65 131.24,70.45 arc(131.17,70.28) 131,70.21 130.88,70.21 arc(130.71,70.28) 130.64,70.45 130.64,71.65 arc(130.57,71.82) 130.4,71.89 130.28,71.89 arc(130.11,71.82) 130.04,71.65 130.04,70.45 arc(129.97,70.28) 129.8,70.21 129.68,70.21 arc(129.51,70.28) 129.44,70.45 129.44,70.96 arc(129.37,71.13) 129.2,71.2 128.3,70.3 128.3,69.43 arc(128.37,69.26) 128.54,69.19 129.05,69.19 arc(129.22,69.12) 129.29,68.95 129.29,68.83 arc(129.22,68.66) 129.05,68.59 127.85,68.59 arc(127.68,68.52) 127.61,68.35 127.61,68.23 arc(127.68,68.06) 127.85,67.99 128.95,67.99 arc(129.12,67.92) 129.19,67.75 129.19,67.63 arc(129.12,67.46) 128.95,67.39 127.85,67.39 arc(127.68,67.32) 127.61,67.15 127.61,67.03 arc(127.68,66.86) 127.85,66.79 128.95,66.79 arc(129.12,66.72) 129.19,66.55 129.19,66.43 arc(129.12,66.26) 128.95,66.19 127.85,66.19 arc(127.68,66.12) 127.61,65.95 127.61,65.83 arc(127.68,65.66) 127.85,65.59 129.05,65.59 arc(129.22,65.52) 129.29,65.35 129.29,65.23 arc(129.22,65.06) 129.05,64.99 127.85,64.99 arc(127.68,64.92) 127.61,64.75 127.61,64.63 arc(127.68,64.46) 127.85,64.39 129.05,64.39 arc(129.22,64.32) 129.29,64.15 129.29,64.03 arc(129.22,63.86) 129.05,63.79 128.54,63.79 arc(128.37,63.72) 128.3,63.55 128.3,62.9 128.74,62.46 arc(128.91,62.39) 129.08,62.46 129.45,62.82 arc(129.62,62.89) 129.78,62.82 129.87,62.74 arc(129.94,62.57) 129.87,62.4 128.98,61.51 arc(128.91,61.34) 128.98,61.17 129.07,61.08 arc(129.24,61.01) 129.4,61.08 130.29,61.97 arc(130.46,62.04) 130.63,61.97 130.72,61.89 arc(130.79,61.72) 130.72,61.55 129.83,60.66 arc(129.76,60.49) 129.83,60.32 129.91,60.23 arc(130.08,60.16) 130.25,60.23 131.14,61.12 arc(131.31,61.19) 131.48,61.12 131.57,61.04 arc(131.64,60.87) 131.57,60.7 130.68,59.81 arc(130.61,59.64) 130.68,59.47 130.76,59.39 arc(130.93,59.32) 131.1,59.39 131.99,60.27 arc(132.16,60.35) 132.33,60.27 132.42,60.19 arc(132.49,60.02) 132.42,59.85 131.53,58.96 arc(131.46,58.79) 131.53,58.62 131.61,58.54 arc(131.78,58.47) 131.95,58.54 132.84,59.43 arc(133.01,59.5) 133.18,59.43 133.26,59.34 arc(133.33,59.17) 133.26,59 132.2,57.94 arc(132.13,57.77) 132.2,57.6 132.28,57.51 arc(132.45,57.44) 132.62,57.51 133.69,58.58 arc(133.86,58.65) 134.03,58.58 134.11,58.49 arc(134.18,58.32) 134.11,58.15 133.05,57.09 arc(132.98,56.92) 133.05,56.75 133.13,56.66 arc(133.3,56.59) 133.47,56.66 134.54,57.73 arc(134.71,57.8) 134.88,57.73 134.96,57.64 arc(135.03,57.47) 134.96,57.3 133.9,56.24 arc(133.82,56.07) 133.9,55.9 133.98,55.81 arc(134.15,55.74) 134.32,55.81 135.39,56.88 arc(135.55,56.95) 135.72,56.88 135.81,56.8 arc(135.88,56.63) 135.81,56.46 134.74,55.39 arc(134.67,55.22) 134.74,55.05 134.83,54.97 arc(135,54.9) 135.17,54.97 136.23,56.03 arc(136.4,56.1) 136.57,56.03 136.66,55.95 arc(136.73,55.78) 136.66,55.61 135.84,54.79 arc(135.77,54.62) 135.84,54.45 135.92,54.37 arc(136.09,54.29) 136.26,54.37 137.08,55.18 arc(137.25,55.25) 137.42,55.18 137.51,55.1 arc(137.58,54.93) 137.51,54.76 136.69,53.94 arc(136.62,53.77) 136.69,53.6 136.77,53.52 arc(136.94,53.45) 137.11,53.52 137.93,54.34 arc(138.1,54.41) 138.27,54.34 138.36,54.25 arc(138.43,54.08) 138.36,53.91 137.54,53.09 arc(137.47,52.92) 137.54,52.75 137.62,52.67 arc(137.79,52.6) 137.96,52.67 138.78,53.49 arc(138.95,53.56) 139.12,53.49 139.2,53.4 arc(139.27,53.23) 139.2,53.06 138.84,52.7 arc(138.77,52.53) 138.84,52.36 139.3,51.9 139.3,51.38 arc(139.36,51.25) 139.5,51.19 arc(139.63,51.13) 139.69,50.99 139.69,50.78 arc(139.63,50.65) 139.5,50.59 139.05,50.59 arc(138.88,50.52) 138.81,50.35 138.81,50.23 arc(138.88,50.06) 139.05,49.99 139.5,49.99 arc(139.63,49.93) 139.69,49.79 139.69,49.59 arc(139.63,49.45) 139.5,49.39 139.05,49.39 arc(138.88,49.32) 138.81,49.15 138.81,49.03 arc(138.88,48.86) 139.05,48.79 139.5,48.79 arc(139.63,48.73) 139.69,48.59 139.69,48.39 arc(139.63,48.25) 139.5,48.19 139.05,48.19 arc(138.88,48.12) 138.81,47.95 138.81,47.83 arc(138.88,47.66) 139.05,47.59 139.5,47.59 arc(139.63,47.53) 139.69,47.39 139.69,47.19 arc(139.63,47.05) 139.5,46.99 139.05,46.99 arc(138.88,46.92) 138.81,46.75 138.81,46.63 arc(138.88,46.46) 139.05,46.39 139.5,46.39 arc(139.63,46.33) 139.69,46.19 139.69,45.99 arc(139.63,45.85) 139.5,45.79 139.05,45.79 arc(138.88,45.72) 138.81,45.55 138.81,45.43 arc(138.88,45.26) 139.05,45.19 139.5,45.19 arc(139.63,45.13) 139.69,44.99 139.69,44.78 arc(139.63,44.64) 139.5,44.58 arc(139.36,44.53) 139.3,44.39 139.3,43.37 140.5,42.17 140.5,31.19 141.19,30.5 141.19,13.4 140.9,13.11 arc(140.77,13.06) 140.65,13.11 arc(140.53,13.16) 140.4,13.11 140.23,12.93 arc(140.17,12.81) 140.23,12.69 arc(140.28,12.56) 140.23,12.44 140.05,12.26 arc(139.92,12.21) 139.8,12.26 arc(139.68,12.31) 139.55,12.26 139.38,12.09 arc(139.33,11.96) 139.38,11.84 arc(139.43,11.71) 139.38,11.59 139.2,11.41 arc(139.08,11.36) 138.95,11.41 arc(138.83,11.47) 138.71,11.41 138.53,11.24 arc(138.48,11.11) 138.53,10.99 arc(138.58,10.87) 138.53,10.74 138.25,10.46 arc(138.12,10.41) 138,10.46 arc(137.88,10.51) 137.75,10.46 137.58,10.29 arc(137.53,10.16) 137.58,10.04 arc(137.63,9.91) 137.58,9.79 137.4,9.61 arc(137.28,9.56) 137.15,9.61 arc(137.03,9.67) 136.91,9.61 136.73,9.44 arc(136.68,9.31) 136.73,9.19 arc(136.78,9.07) 136.73,8.94 136.27,8.48 135.58,8.48 arc(135.51,8.51) 135.48,8.58 arc(135.45,8.65) 135.38,8.68 134.98,8.68 arc(134.91,8.65) 134.88,8.58 arc(134.85,8.51) 134.78,8.48 134.38,8.48 arc(134.31,8.51) 134.28,8.58 arc(134.25,8.65) 134.18,8.68 133.78,8.68 arc(133.71,8.65) 133.68,8.58 arc(133.65,8.51) 133.58,8.48 133.18,8.48 arc(133.11,8.51) 133.08,8.58 arc(133.05,8.65) 132.98,8.68 132.58,8.68 arc(132.51,8.65) 132.48,8.58 arc(132.45,8.51) 132.38,8.48 131.98,8.48 arc(131.91,8.51) 131.88,8.58 arc(131.85,8.65) 131.78,8.68 131.38,8.68 arc(131.31,8.65) 131.28,8.58 arc(131.25,8.51) 131.18,8.48 130.78,8.48 arc(130.71,8.51) 130.68,8.58 arc(130.65,8.65) 130.58,8.68 130.18,8.68 arc(130.11,8.65) 130.08,8.58 arc(130.05,8.51) 129.98,8.48 129.58,8.48 arc(129.51,8.51) 129.48,8.58 arc(129.45,8.65) 129.38,8.68 128.98,8.68 arc(128.91,8.65) 128.88,8.58 arc(128.85,8.51) 128.78,8.48 128.38,8.48 arc(128.31,8.51) 128.28,8.58 arc(128.25,8.65) 128.18,8.68 127.78,8.68 arc(127.71,8.65) 127.68,8.58 arc(127.65,8.51) 127.58,8.48 127.18,8.48 arc(127.11,8.51) 127.08,8.58 arc(127.05,8.65) 126.98,8.68 126.58,8.68 arc(126.51,8.65) 126.48,8.58 arc(126.45,8.51) 126.38,8.48 125.98,8.48 arc(125.91,8.51) 125.88,8.58 arc(125.85,8.65) 125.78,8.68 125.38,8.68 arc(125.31,8.65) 125.28,8.58 arc(125.25,8.51) 125.18,8.48 124.78,8.48 arc(124.71,8.51) 124.68,8.58 arc(124.65,8.65) 124.58,8.68 124.18,8.68 arc(124.11,8.65) 124.08,8.58 arc(124.05,8.51) 123.98,8.48 123.58,8.48 arc(123.51,8.51) 123.48,8.58 arc(123.45,8.65) 123.38,8.68 122.98,8.68 arc(122.91,8.65) 122.88,8.58 arc(122.85,8.51) 122.78,8.48 122.38,8.48 arc(122.31,8.51) 122.28,8.58 arc(122.25,8.65) 122.18,8.68 121.78,8.68 arc(121.71,8.65) 121.68,8.58 arc(121.65,8.51) 121.58,8.48 120.28,8.48 120.15,8.62 arc(120.08,8.79) 120.15,8.95 120.41,9.22 arc(120.48,9.39) 120.41,9.56 120.33,9.64 arc(120.16,9.71) 119.99,9.64 119.73,9.38 arc(119.56,9.31) 119.39,9.38 119.3,9.46 arc(119.23,9.63) 119.3,9.8 119.56,10.07 arc(119.63,10.23) 119.56,10.4 119.48,10.49 arc(119.31,10.56) 119.14,10.49 118.17,9.52 arc(118,9.45) 117.83,9.52 117.75,9.61 arc(117.68,9.78) 117.75,9.94 118.72,10.91 arc(118.79,11.08) 118.72,11.25 118.63,11.34 arc(118.46,11.41) 118.29,11.34 117.32,10.37 arc(117.15,10.3) 116.98,10.37 116.9,10.45 arc(116.83,10.62) 116.9,10.79 117.87,11.76 arc(117.94,11.93) 117.87,12.1 117.78,12.19 arc(117.61,12.26) 117.44,12.19 117.18,11.92 arc(117.01,11.85) 116.84,11.92 116.73,12.04 arc(116.66,12.21) 116.73,12.38 116.99,12.64 arc(117.06,12.81) 116.99,12.98 116.91,13.06 arc(116.74,13.13) 116.57,13.06 116.31,12.8 arc(116.14,12.73) 115.97,12.8 115.97,15.93 J8.C15
